# Allegro board 1151864-PCIE3_0_X16-166-20240802_20240815_2000_pcb.brd (continued)
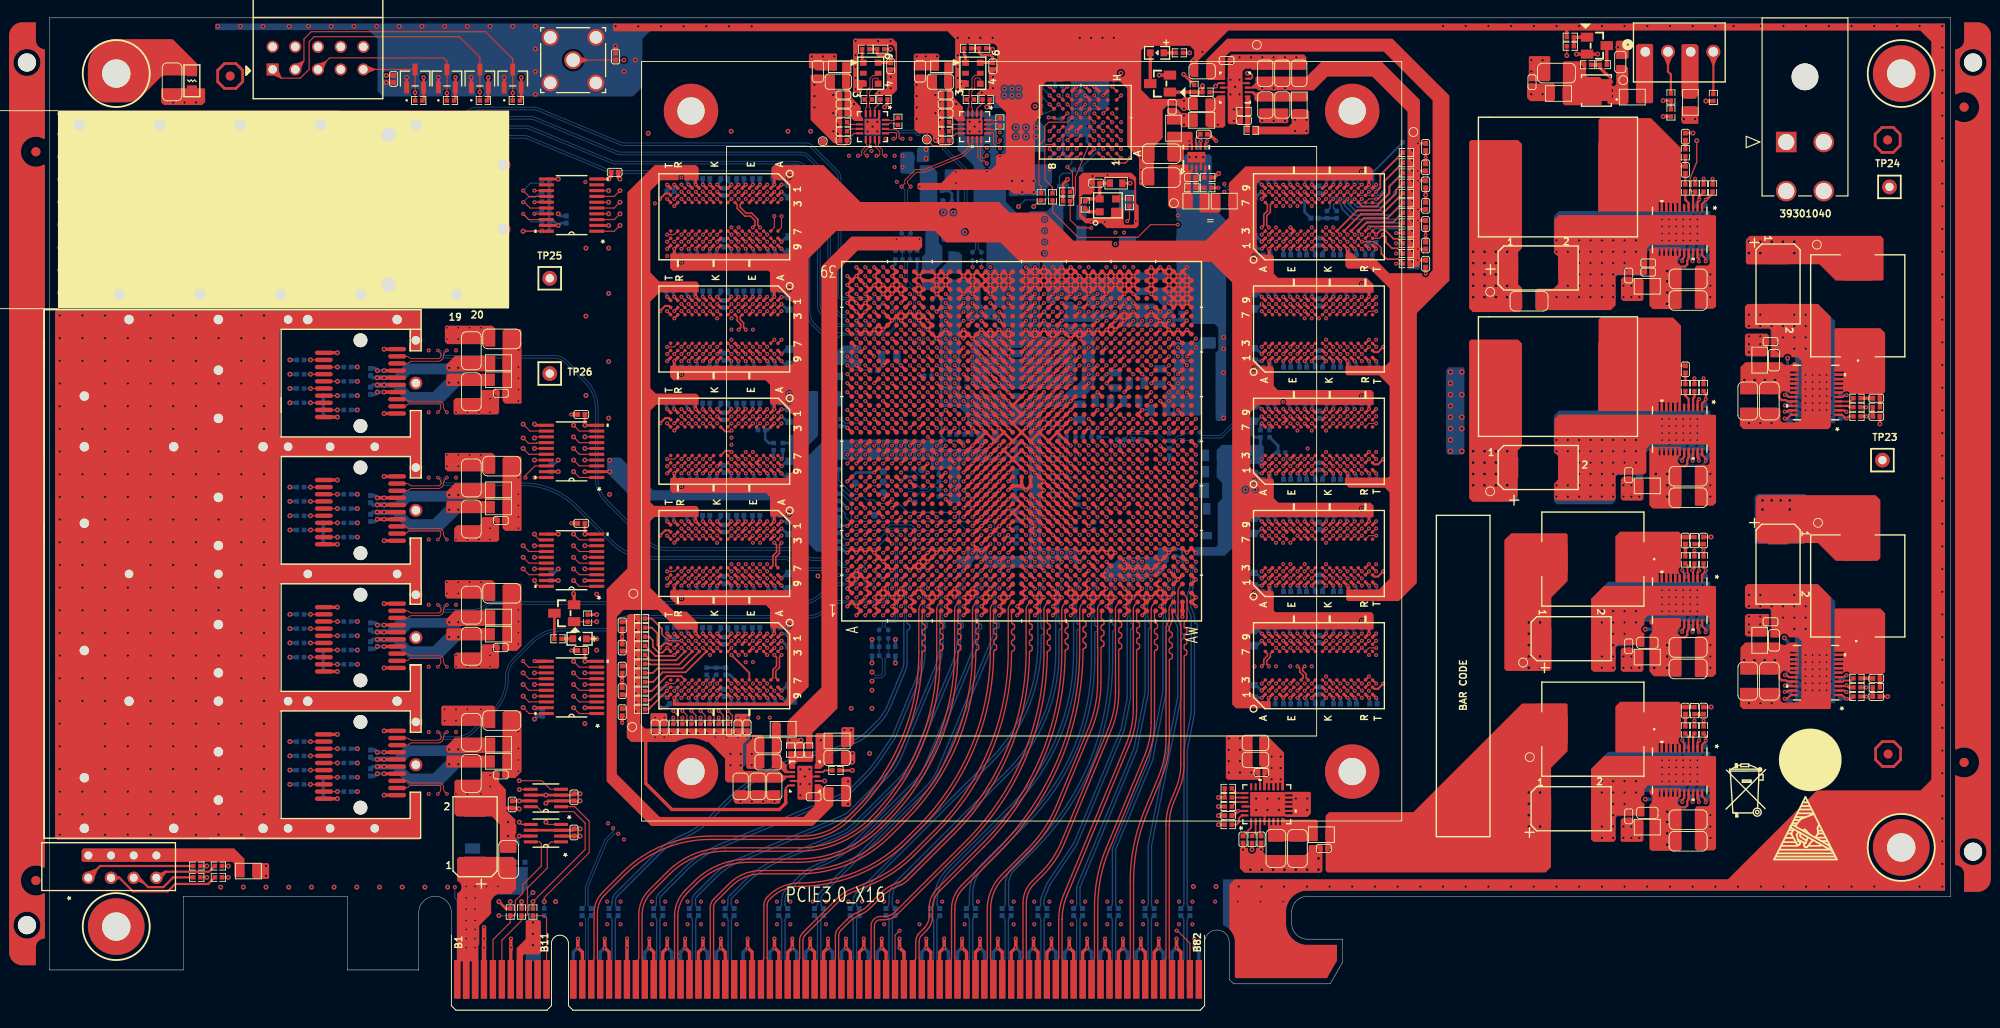
[diagram p0: board, top side]
## Footprints (pads in the part's own frame, mm; a bottom-side part is the same pattern mirrored in y, then rotated) (continued)

## Nets
GND: C1.2(CAP1) C3.2(CAP1) C4.2(CAP1) C5.2(CAP1) C6.2(CAP1) C7.2(CAP1) C8.2(CAP1) C9.2(CAP1) C10.2(CAP1) C11.2(CAP1) C18.2(CAP1) C21.2(CAP1) C22.2(CAP1) C23.2(CAP1) C24.2(CAP1) C25.2(CAP1) C26.2(CAP1) C27.2(CAP1) C28.2(CAP1) C29.2(CAP1) C30.2(CAP1) C31.2(CAP1) C32.2(CAP1) C33.2(CAP1) C34.2(CAP1) C35.2(CAP1) C36.2(CAP1) C37.2(CAP1) C38.2(CAP1) C39.2(CAP1) C40.2(CAP1) C41.2(CAP1) C42.2(CAP1) C43.2(CAP1) C44.2(CAP1) C45.2(CAP1) C46.2(CAP1) C47.2(CAP1) C48.2(CAP1) C49.2(CAP1) C50.2(CAP1) C51.2(CAP1) C52.2(CAP1) C53.2(CAP1) C54.2(CAP1) C55.2(CAP1) C56.2(CAP1) C57.2(CAP1) C58.2(CAP1) C59.2(CAP1) C60.2(CAP1) C61.2(CAP1) C62.2(CAP1) C63.2(CAP1) C64.2(CAP1) C65.2(CAP1) C66.2(CAP1) C67.2(CAP1) C68.2(CAP1) C69.2(CAP1) C70.2(CAP1) C71.2(CAP1) C72.2(CAP1) C73.2(CAP1) C74.2(CAP1) C75.2(CAP1) C76.2(CAP1) C77.2(CAP1) C78.2(CAP1) C79.2(CAP1) C80.2(CAP1) C81.2(CAP1) C82.2(CAP1) C83.2(CAP1) C84.2(CAP1) C85.2(CAP1) C86.2(CAP1) C87.2(CAP1) C88.2(CAP1) C89.2(CAP1) C90.2(CAP1) C91.2(CAP1) C92.2(CAP1) C93.2(CAP1) C94.2(CAP1) C95.2(CAP1) C96.2(CAP1) C97.2(CAP1) C98.2(CAP1) C99.2(CAP1) C100.2(CAP1) C101.2(CAP1) C102.2(CAP1) C103.2(CAP1) C104.2(CAP1) C105.2(CAP1) C106.2(CAP1) C107.2(CAP1) C108.2(CAP1) C109.2(CAP1) C110.2(CAP1) C111.2(CAP1) C112.2(CAP1) C113.2(CAP1) C114.2(CAP1) C115.2(CAP1) C116.2(CAP1) C117.2(CAP1) C118.2(CAP1) C119.2(CAP1) C120.2(CAP1) C121.2(CAP1) C122.2(CAP1) C123.2(CAP1) C124.2(CAP1) C125.2(CAP1) C126.2(CAP1) C127.2(CAP1) C128.2(CAP1) C129.2(CAP1) C130.2(CAP1) C131.2(CAP1) C132.2(CAP1) C133.2(CAP1) C134.2(CAP1) C135.2(CAP1) C136.2(CAP1) C137.2(CAP1) C138.2(CAP1) C139.2(CAP1) C140.2(CAP1) C141.2(CAP1) C142.2(CAP1) C143.2(CAP1) C144.2(CAP1) C145.2(CAP1) C146.2(CAP1) C147.2(CAP1) C148.2(CAP1) C149.2(CAP1) C150.2(CAP1) C151.2(CAP1) C152.2(CAP1) C153.2(CAP1) C155.2(CAP1) C156.2(CAP1) C157.2(CAP1) C158.2(CAP1) C159.2(CAP1) C160.2(CAP1) C161.2(CAP1) C162.2(CAP1) C163.2(CAP1) C164.2(CAP1) C165.2(CAP1) C166.2(CAP1) C167.2(CAP1) C168.2(CAP1) C169.2(CAP1) C170.2(CAP1) C171.2(CAP1) C172.2(CAP1) C173.2(CAP1) C174.2(CAP1) C175.2(CAP1) C176.2(CAP1) C177.2(CAP1) C178.2(CAP1) C179.2(CAP1) C180.2(CAP1) C181.2(CAP1) C182.2(CAP1) C183.2(CAP1) C184.2(CAP1) C185.2(CAP1) C186.2(CAP1) C187.2(CAP1) C188.2(CAP1) C189.2(CAP1) C190.2(CAP1) C191.2(CAP1) C192.2(CAP1) C193.2(CAP1) C194.2(CAP1) C195.2(CAP1) C196.2(CAP1) C197.2(CAP1) C198.2(CAP1) C199.2(CAP1) C200.2(CAP1) C201.2(CAP1) C202.2(CAP1) C203.2(CAP1) C204.2(CAP1) C205.2(CAP1) C206.2(CAP1) C207.2(CAP1) C208.2(CAP1) C209.2(CAP1) C210.2(CAP1) C211.2(CAP1) C212.2(CAP1) C213.2(CAP1) C214.2(CAP1) C215.2(CAP1) C216.2(CAP1) C217.2(CAP1) C218.2(CAP1) C219.2(CAP1) C220.2(CAP1) C221.2(CAP1) C222.2(CAP1) C223.2(CAP1) C224.2(CAP1) C225.2(CAP1) C226.2(CAP1) C227.2(CAP1) C228.2(CAP1) C229.2(CAP1) C230.2(CAP1) C231.2(CAP1) C232.2(CAP1) C233.2(CAP1) C234.2(CAP1) C235.2(CAP1) C236.2(CAP1) C237.2(CAP1) C238.2(CAP1) C239.2(CAP1) C240.2(CAP1) C241.2(CAP1) C242.2(CAP1) C244.2(CAP1) C245.2(CAP1) C246.2(CAP1) C247.2(CAP1) C248.2(CAP1) C249.2(CAP1) C250.2(CAP1) C251.2(CAP1) C252.2(CAP1) C253.2(CAP1) C254.2(CAP1) C255.2(CAP1) C256.2(CAP1) C257.2(CAP1) C258.2(CAP1) C259.2(CAP1) C260.2(CAP1) C261.2(CAP1) C262.2(CAP1) C263.2(CAP1) C264.2(CAP1) C265.2(CAP1) C266.2(CAP1) C267.2(CAP1) C268.2(CAP1) C269.2(CAP1) C270.2(CAP1) C271.2(CAP1) C272.2(CAP1) C273.2(CAP1) C274.2(CAP1) C275.2(CAP1) C276.2(CAP1) C277.2(CAP1) C278.2(CAP1) C279.2(CAP1) C280.2(CAP1) C281.2(CAP1) C282.2(CAP1) C283.2(CAP1) C284.2(CAP1) C285.2(CAP1) C286.2(CAP1) C287.2(CAP1) C288.2(CAP1) C289.2(CAP1) C290.2(CAP1) C291.2(CAP1) C292.2(CAP1) C293.2(CAP1) C294.2(CAP1) C295.2(CAP1) C296.2(CAP1) C297.2(CAP1) C298.2(CAP1) C299.2(CAP1) C300.2(CAP1) C301.2(CAP1) C302.2(CAP1) C303.2(CAP1) C304.2(CAP1) C305.2(CAP1) C306.2(CAP1) C307.2(CAP1) C308.2(CAP1) C309.2(CAP1) C310.2(CAP1) C312.2(CAP1) C313.2(CAP1) C314.2(CAP1) C315.2(CAP1) C316.2(CAP1) C317.2(CAP1) C318.2(CAP1) C329.2(CAP1) C330.2(CAP1) C341.2(CAP1) C342.2(CAP1) C357.1(CAP2) C358.2(CAP1) C359.2(CAP1) C360.1(CAP2) C361.1(CAP2) C362.1(CAP2) C363.1(CAP2) C364.1(CAP2) C365.2(CAP1) C366.2(CAP1) C367.1(CAP2) C368.1(CAP2) C369.1(CAP2) C374.1(CAP2) C375.1(CAP2) C377.1(CAP2) C378.2(CAP1) C379.2(CAP1) C380.2(CAP1) C381.2(CAP1) C382.2(CAP1) C383.2(CAP1) C384.2(CAP1) C385.1(CAP2) C386.1(CAP2) C387.2(CAP1) C388.2(CAP1) C389.2(CAP1) C390.2(CAP1) C391.2(CAP1) C392.2(CAP1) C394.1(CAP2) C395.1(CAP2) C396.2(CAP1) C397.2(CAP1) C398.2(CAP1) C399.2(CAP1) C400.2(CAP1) C401.2(CAP1) C403.1(CAP2) C404.1(CAP2) C405.2(CAP1) C406.2(CAP1) C407.2(CAP1) C408.2(CAP1) C409.2(CAP1) C410.2(CAP1) C412.1(CAP2) C413.1(CAP2) C414.1(CAP2) C415.2(CAP1) C416.2(CAP1) C417.1(CAP2) C418.2(CAP1) C419.2(CAP1) C420.2(CAP1) C421.2(CAP1) C422.1(CAP2) C423.2(CAP1) C424.2(CAP1) C425.2(CAP1) C426.2(CAP1) C427.2(CAP1) C428.2(CAP1) C430.1(CAP2) C431.2(CAP1) C432.1(CAP2) C433.2(CAP1) C434.1(CAP2) C435.2(CAP1) C437.2(CAP1) C438.1(CAP2) C439.1(CAP2) C440.2(CAP1) C441.2(CAP1) C442.2(CAP1) C443.2(CAP1) C444.2(CAP1) C445.2(CAP1) C447.2(CAP1) C448.2(CAP1) C449.2(CAP1) C450.2(CAP1) C451.2(CAP1) C452.2(CAP1) C453.2(CAP1) C454.2(CAP1) C455.2(CAP1) C456.2(CAP1) C457.2(CAP1) C458.2(CAP1) C459.2(CAP1) C460.2(CAP1) C461.2(CAP1) C462.2(CAP1) C463.2(CAP1) C464.2(CAP1) C465.1 C466.1(CAP2) C467.2(CAP1) C468.2(CAP1) C469.2(CAP1) C470.2(CAP1) C471.2(CAP1) C472.2(CAP1) C473.2(CAP1) C474.2(CAP1) C475.2(CAP1) C476.2(CAP1) C477.2(CAP1) C478.2(CAP1) C479.2(CAP1) C480.2(CAP1) C481.2(CAP1) C482.2(CAP1) C483.2(CAP1) C484.2(CAP1) C485.2(CAP1) C486.2(CAP1) CC1.2 CC2.2 CC3.2 CC4.2 CC5.2 CC6.2 CC7.2 CC8.2 CC9.2 CC10.2 CC11.2 CC12.2 CC13.2 CC14.2 CC15.2 D1.1 D2.1 D3.1 D4.1 J1.2 J1.10 J2.2(GND1) J2.3(GND2) J2.4(GND3) J2.5(GND4) J3.1(GND1) J3.4(GND2) J3.7(GND3) J3.13(GND4) J3.16(GND5) J3.19(GND6) J3.20(GND7) J3.23(GND8) J3.26(GND9) J3.32(GND10) J3.35(GND11) J3.38(GND12) J4.1(MH1) J4.2(MH2) J4.3(MH3) J4.4(MH4) J4.5(MH5) J4.6(MH6) J4.7(MH7) J4.8(MH8) J4.9(MH9) J4.10(MH10) J4.11(MH11) J4.12(MH12) J5.2(GND#2) J5.4(GND#4) L2.1 L51.1 P1.1(SHIELD1) P1.2(SHIELD2) P1.3(SHIELD3) P1.4(SHIELD4) P1.5(SHIELD5) P1.6(SHIELD6) P1.7(SHIELD7) P1.8(SHIELD8) P1.9(SHIELD9) P1.10(SHIELD10) P1.11(SHIELD11) P1.12(SHIELD12) P1.13(SHIELD13) P1.14(SHIELD14) P1.15(SHIELD15) P1.16(SHIELD16) P1.17(SHIELD17) P1.18(SHIELD18) P1.19(SHIELD19) P1.20(SHIELD20) P1.21(SHIELD21) P1.22(SHIELD22) P1.23(SHIELD23) P1.24(SHIELD24) P1.25(SHIELD25) P1.26(SHIELD26) P1.27(SHIELD27) P1.28(SHIELD28) P1.29(SHIELD29) P1.30(SHIELD30) P1.31(SHIELD31) P1.32(SHIELD32) P1.33(SHIELD33) P1.34(SHIELD34) P1.35(SHIELD35) P1.36(SHIELD36) P1.37(SHIELD37) P1.38(SHIELD38) P1.39(SHIELD39) P1.40(SHIELD40) P1.41(SHIELD41) P1.42(SHIELD42) P1.43(SHIELD43) P1.44(SHIELD44) P1.45(SHIELD45) P1.46(SHIELD46) P1.A1(A_VEET_1) P1.A10(A_VEER_1) P1.A11(A_VEER_2) P1.A14(A_VEER_3) P1.A17(A_VEET_2) P1.A20(A_VEET_3) P1.B1(B_VEET_1) P1.B10(B_VEER_1) P1.B11(B_VEER_2) P1.B14(B_VEER_3) P1.B17(B_VEET_2) P1.B20(B_VEET_3) P1.C1(C_VEET_1) P1.C10(C_VEER_1) P1.C11(C_VEER_2) P1.C14(C_VEER_3) P1.C17(C_VEET_2) P1.C20(C_VEET_3) P1.D1(D_VEET_1) P1.D10(D_VEER_1) P1.D11(D_VEER_2) P1.D14(D_VEER_3) P1.D17(D_VEET_2) P1.D20(D_VEET_3) P2.A4(GND#A4) P2.A12(GND#A12) P2.A15(GND#A15) P2.A18(GND#A18) P2.A20(GND#A20) P2.A23(GND#A23) P2.A24(GND#A24) P2.A27(GND#A27) P2.A28(GND#A28) P2.A31(GND#A31) P2.A34(GND#A34) P2.A37(GND#A37) P2.A38(GND#A38) P2.A41(GND#A41) P2.A42(GND#A42) P2.A45(GND#A45) P2.A46(GND#A46) P2.A49(GND#A49) P2.A51(GND#A51) P2.A54(GND#A54) P2.A55(GND#A55) P2.A58(GND#A58) P2.A59(GND#A59) P2.A62(GND#A62) P2.A63(GND#A63) P2.A66(GND#A66) P2.A67(GND#A67) P2.A70(GND#A70) P2.A71(GND#A71) P2.A74(GND#A74) P2.A75(GND#A75) P2.A78(GND#A78) P2.A79(GND#A79) P2.A82(GND#A82) P2.B4(GND#B4) P2.B7(GND#B7) P2.B13(GND#B13) P2.B16(GND#B16) P2.B18(GND#B18) P2.B21(GND#B21) P2.B22(GND#B22) P2.B25(GND#B25) P2.B26(GND#B26) P2.B29(GND#B29) P2.B32(GND#B32) P2.B35(GND#B35) P2.B36(GND#B36) P2.B39(GND#B39) P2.B40(GND#B40) P2.B43(GND#B43) P2.B44(GND#B44) P2.B47(GND#B47) P2.B49(GND#B49) P2.B52(GND#B52) P2.B53(GND#B53) P2.B56(GND#B56) P2.B57(GND#B57) P2.B60(GND#B60) P2.B61(GND#B61) P2.B64(GND#B64) P2.B65(GND#B65) P2.B68(GND#B68) P2.B69(GND#B69) P2.B72(GND#B72) P2.B73(GND#B73) P2.B76(GND#B76) P2.B77(GND#B77) P2.B80(GND#B80) Q1.2(SOURCE) Q2.2(SOURCE) Q4.2(SOURCE) R12.1 R15.2 R16.1 R19.1 R20.1 R34.2 R35.1 R36.2 R37.1 R41.1 R42.1 R43.2 R44.1 R47.1 R48.1 R56.1 R57.1 R58.2 R59.1 R60.2 R61.1 R65.1 R66.1 R67.2 R68.1 R69.1 R70.2 R71.1 R72.2 R73.2 R74.1 R75.2 R76.1 R77.2 R99.1 R107.1 R108.2 R111.1 R112.2 R113.1 R114.2 R115.2 R116.1 R117.2 R118.1 R119.2 R140.1 R149.1 R150.2 R161.1 R163.1 R175.1 R177.1 R185.1 R187.1 R195.1 R197.1 R210.2 R211.2 R216.2 R217.2 R219.2 R220.2 R221.2 R223.1 R225.2 R229.1 R230.1 R231.1 R232.1 R235.2 R238.1 R239.1 R240.1 R241.1 R246.2 R249.1 R250.1 R251.1 R252.1 R256.2 R262.1 R264.1 R265.1 R266.1 R267.1 R271.2 R275.2 R279.2 R281.1 R282.1 R283.1 R284.1 R289.2 R294.2 R296.1 R303.2 TP23.1 TP24.1 TP25.1 TP26.1 U1.A2 U1.A3 U1.A4 U1.A5 U1.A8 U1.A11 U1.A21 U1.A31 U1.A32 U1.A35 U1.A36 U1.A37 U1.A38 U1.AA3 U1.AA5 U1.AA8 U1.AA10 U1.AA11 U1.AA13 U1.AA17 U1.AA19 U1.AA21 U1.AA23 U1.AA25 U1.AA27 U1.AA29 U1.AA31 U1.AA32 U1.AA35 U1.AA37 U1.AA38 U1.AA39 U1.AB1 U1.AB2 U1.AB3 U1.AB6 U1.AB12 U1.AB14 U1.AB15 U1.AB16 U1.AB18 U1.AB20 U1.AB22 U1.AB24 U1.AB26 U1.AB28 U1.AB30 U1.AB32 U1.AB34 U1.AB37 U1.AB38 U1.AB39 U1.AC3 U1.AC4 U1.AC11 U1.AC13 U1.AC15 U1.AC17 U1.AC19 U1.AC21 U1.AC23 U1.AC25 U1.AC27 U1.AC29 U1.AC31 U1.AC32 U1.AC36 U1.AC37 U1.AC38 U1.AC39 U1.AD1 U1.AD2 U1.AD3 U1.AD6 U1.AD12 U1.AD14 U1.AD16 U1.AD18 U1.AD20 U1.AD22 U1.AD24 U1.AD26 U1.AD28 U1.AD30 U1.AD32 U1.AD34 U1.AD37 U1.AD38 U1.AD39 U1.AE3 U1.AE4 U1.AE9 U1.AE11 U1.AE13 U1.AE15 U1.AE17 U1.AE19 U1.AE21 U1.AE23 U1.AE25 U1.AE27 U1.AE29 U1.AE31 U1.AE32 U1.AE36 U1.AE37 U1.AE38 U1.AE39 U1.AF1 U1.AF2 U1.AF3 U1.AF6 U1.AF8 U1.AF14 U1.AF24 U1.AF32 U1.AF34 U1.AF37 U1.AF38 U1.AF39 U1.AG3 U1.AG4 U1.AG8 U1.AG11 U1.AG21 U1.AG31 U1.AG32 U1.AG36 U1.AG37 U1.AG38 U1.AG39 U1.AH1 U1.AH2 U1.AH3 U1.AH6 U1.AH8 U1.AH18 U1.AH28 U1.AH32 U1.AH34 U1.AH37 U1.AH38 U1.AH39 U1.AJ3 U1.AJ4 U1.AJ8 U1.AJ15 U1.AJ25 U1.AJ32 U1.AJ36 U1.AJ37 U1.AJ38 U1.AJ39 U1.AK1 U1.AK2 U1.AK3 U1.AK7 U1.AK8 U1.AK12 U1.AK22 U1.AK32 U1.AK33 U1.AK37 U1.AK38 U1.AK39 U1.AL3 U1.AL4 U1.AL6 U1.AL7 U1.AL9 U1.AL19 U1.AL29 U1.AL33 U1.AL34 U1.AL36 U1.AL37 U1.AL38 U1.AL39 U1.AM1 U1.AM2 U1.AM3 U1.AM6 U1.AM16 U1.AM26 U1.AM34 U1.AM37 U1.AM38 U1.AM39 U1.AN3 U1.AN4 U1.AN6 U1.AN13 U1.AN23 U1.AN34 U1.AN36 U1.AN37 U1.AN38 U1.AN39 U1.AP1 U1.AP2 U1.AP3 U1.AP6 U1.AP10 U1.AP20 U1.AP30 U1.AP34 U1.AP37 U1.AP38 U1.AP39 U1.AR3 U1.AR4 U1.AR6 U1.AR7 U1.AR17 U1.AR27 U1.AR33 U1.AR34 U1.AR36 U1.AR37 U1.AR38 U1.AR39 U1.AT1 U1.AT2 U1.AT3 U1.AT7 U1.AT8 U1.AT14 U1.AT24 U1.AT32 U1.AT33 U1.AT37 U1.AT38 U1.AT39 U1.AU3 U1.AU4 U1.AU5 U1.AU8 U1.AU11 U1.AU21 U1.AU31 U1.AU32 U1.AU35 U1.AU36 U1.AU37 U1.AU38 U1.AU39 U1.AV1 U1.AV2 U1.AV5 U1.AV8 U1.AV18 U1.AV28 U1.AV32 U1.AV35 U1.AV36 U1.AV37 U1.AV38 U1.AV39 U1.AW2 U1.AW3 U1.AW4 U1.AW5 U1.AW8 U1.AW15 U1.AW25 U1.AW32 U1.AW35 U1.AW36 U1.AW37 U1.AW38 U1.B1 U1.B2 U1.B5 U1.B6 U1.B8 U1.B18 U1.B28 U1.B32 U1.B34 U1.B35 U1.B38 U1.B39 U1.C3 U1.C4 U1.C5 U1.C8 U1.C15 U1.C25 U1.C32 U1.C35 U1.C36 U1.C37 U1.D1 U1.D2 U1.D3 U1.D7 U1.D8 U1.D12 U1.D22 U1.D32 U1.D33 U1.D37 U1.D38 U1.D39 U1.E3 U1.E4 U1.E6 U1.E7 U1.E9 U1.E19 U1.E29 U1.E33 U1.E34 U1.E36 U1.E37 U1.F1 U1.F2 U1.F3 U1.F6 U1.F16 U1.F26 U1.F34 U1.F37 U1.F38 U1.F39 U1.G3 U1.G4 U1.G6 U1.G13 U1.G23 U1.G33 U1.G34 U1.G36 U1.G37 U1.H1 U1.H2 U1.H3 U1.H6 U1.H10 U1.H20 U1.H30 U1.H34 U1.H37 U1.H38 U1.H39 U1.J3 U1.J4 U1.J6 U1.J7 U1.J17 U1.J27 U1.J33 U1.J34 U1.J36 U1.J37 U1.J38 U1.J39 U1.K1 U1.K2 U1.K3 U1.K7 U1.K8 U1.K14 U1.K24 U1.K32 U1.K33 U1.K37 U1.K38 U1.K39 U1.L3 U1.L4 U1.L8 U1.L11 U1.L21 U1.L31 U1.L32 U1.L36 U1.L37 U1.L38 U1.L39 U1.M1 U1.M2 U1.M3 U1.M6 U1.M8 U1.M18 U1.M28 U1.M32 U1.M34 U1.M37 U1.M38 U1.M39 U1.N3 U1.N4 U1.N8 U1.N15 U1.N25 U1.N32 U1.N36 U1.N37 U1.N38 U1.N39 U1.P1 U1.P2 U1.P3 U1.P6 U1.P12 U1.P22 U1.P32 U1.P34 U1.P37 U1.P38 U1.P39 U1.R3 U1.R4 U1.R8 U1.R9 U1.R11 U1.R13 U1.R15 U1.R17 U1.R19 U1.R21 U1.R23 U1.R25 U1.R27 U1.R29 U1.R31 U1.R32 U1.R36 U1.R37 U1.R38 U1.R39 U1.T1 U1.T2 U1.T3 U1.T6 U1.T8 U1.T12 U1.T14 U1.T16 U1.T18 U1.T20 U1.T22 U1.T24 U1.T26 U1.T28 U1.T30 U1.T32 U1.T34 U1.T37 U1.T38 U1.T39 U1.U3 U1.U4 U1.U11 U1.U13 U1.U15 U1.U17 U1.U19 U1.U21 U1.U23 U1.U25 U1.U27 U1.U29 U1.U31 U1.U32 U1.U36 U1.U37 U1.U38 U1.U39 U1.V1 U1.V2 U1.V3 U1.V6 U1.V12 U1.V14 U1.V16 U1.V18 U1.V20 U1.V22 U1.V24 U1.V26 U1.V28 U1.V30 U1.V32 U1.V34 U1.V37 U1.V38 U1.V39 U1.W3 U1.W5 U1.W8 U1.W10 U1.W11 U1.W13 U1.W17 U1.W19 U1.W21 U1.W23 U1.W25 U1.W27 U1.W29 U1.W31 U1.W32 U1.W35 U1.W37 U1.W38 U1.W39 U1.Y1 U1.Y2 U1.Y3 U1.Y4 U1.Y6 U1.Y12 U1.Y14 U1.Y18 U1.Y20 U1.Y22 U1.Y24 U1.Y26 U1.Y28 U1.Y30 U1.Y32 U1.Y34 U1.Y36 U1.Y37 U1.Y38 U1.Y39 U2.B2(VSS0) U2.H2(VSS1) U2.H4(VSS2) U2.H6(VSS3) U3.2(GND) U4.A2(VSSQ1) U4.A8(VSSQ2) U4.B2(VSS1) U4.C9(VSSQ3) U4.D2(VSSQ4) U4.D8(VSSQ5) U4.E1(VSS2) U4.E3(VSSQ6) U4.E8(VSSQ7) U4.E9(VSS3) U4.F1(VSSQ8) U4.G8(VSS4) U4.H1(VSSQ9) U4.H9(VSSQ10) U4.K1(VSS5) U4.K9(VSS6) U4.M9(VSS7) U4.N1(VSS8) U4.T1(VSS9) U5.A2(VSSQ1) U5.A8(VSSQ2) U5.B2(VSS1) U5.C9(VSSQ3) U5.D2(VSSQ4) U5.D8(VSSQ5) U5.E1(VSS2) U5.E3(VSSQ6) U5.E8(VSSQ7) U5.E9(VSS3) U5.F1(VSSQ8) U5.G8(VSS4) U5.H1(VSSQ9) U5.H9(VSSQ10) U5.K1(VSS5) U5.K9(VSS6) U5.M9(VSS7) U5.N1(VSS8) U5.T1(VSS9) U6.A2(VSSQ1) U6.A8(VSSQ2) U6.B2(VSS1) U6.C9(VSSQ3) U6.D2(VSSQ4) U6.D8(VSSQ5) U6.E1(VSS2) U6.E3(VSSQ6) U6.E8(VSSQ7) U6.E9(VSS3) U6.F1(VSSQ8) U6.G8(VSS4) U6.H1(VSSQ9) U6.H9(VSSQ10) U6.K1(VSS5) U6.K9(VSS6) U6.M9(VSS7) U6.N1(VSS8) U6.T1(VSS9) U7.A2(VSSQ1) U7.A8(VSSQ2) U7.B2(VSS1) U7.C9(VSSQ3) U7.D2(VSSQ4) U7.D8(VSSQ5) U7.E1(VSS2) U7.E3(VSSQ6) U7.E8(VSSQ7) U7.E9(VSS3) U7.F1(VSSQ8) U7.G8(VSS4) U7.H1(VSSQ9) U7.H9(VSSQ10) U7.K1(VSS5) U7.K9(VSS6) U7.M9(VSS7) U7.N1(VSS8) U7.T1(VSS9) U8.A2(VSSQ1) U8.A8(VSSQ2) U8.B2(VSS1) U8.C9(VSSQ3) U8.D2(VSSQ4) U8.D8(VSSQ5) U8.E1(VSS2) U8.E3(VSSQ6) U8.E8(VSSQ7) U8.E9(VSS3) U8.F1(VSSQ8) U8.G8(VSS4) U8.H1(VSSQ9) U8.H9(VSSQ10) U8.K1(VSS5) U8.K9(VSS6) U8.M9(VSS7) U8.N1(VSS8) U8.T1(VSS9) U9.A2(VSSQ1) U9.A8(VSSQ2) U9.B2(VSS1) U9.C9(VSSQ3) U9.D2(VSSQ4) U9.D8(VSSQ5) U9.E1(VSS2) U9.E3(VSSQ6) U9.E8(VSSQ7) U9.E9(VSS3) U9.F1(VSSQ8) U9.G8(VSS4) U9.H1(VSSQ9) U9.H9(VSSQ10) U9.K1(VSS5) U9.K9(VSS6) U9.M9(VSS7) U9.N1(VSS8) U9.T1(VSS9) U10.A2(VSSQ1) U10.A8(VSSQ2) U10.B2(VSS1) U10.C9(VSSQ3) U10.D2(VSSQ4) U10.D8(VSSQ5) U10.E1(VSS2) U10.E3(VSSQ6) U10.E8(VSSQ7) U10.E9(VSS3) U10.F1(VSSQ8) U10.G8(VSS4) U10.H1(VSSQ9) U10.H9(VSSQ10) U10.K1(VSS5) U10.K9(VSS6) U10.M9(VSS7) U10.N1(VSS8) U10.T1(VSS9) U11.A2(VSSQ1) U11.A8(VSSQ2) U11.B2(VSS1) U11.C9(VSSQ3) U11.D2(VSSQ4) U11.D8(VSSQ5) U11.E1(VSS2) U11.E3(VSSQ6) U11.E8(VSSQ7) U11.E9(VSS3) U11.F1(VSSQ8) U11.G8(VSS4) U11.H1(VSSQ9) U11.H9(VSSQ10) U11.K1(VSS5) U11.K9(VSS6) U11.M9(VSS7) U11.N1(VSS8) U11.T1(VSS9) U12.A2(VSSQ1) U12.A8(VSSQ2) U12.B2(VSS1) U12.C9(VSSQ3) U12.D2(VSSQ4) U12.D8(VSSQ5) U12.E1(VSS2) U12.E3(VSSQ6) U12.E8(VSSQ7) U12.E9(VSS3) U12.F1(VSSQ8) U12.G8(VSS4) U12.H1(VSSQ9) U12.H9(VSSQ10) U12.K1(VSS5) U12.K9(VSS6) U12.M9(VSS7) U12.N1(VSS8) U12.T1(VSS9) U13.A2(VSSQ1) U13.A8(VSSQ2) U13.B2(VSS1) U13.C9(VSSQ3) U13.D2(VSSQ4) U13.D8(VSSQ5) U13.E1(VSS2) U13.E3(VSSQ6) U13.E8(VSSQ7) U13.E9(VSS3) U13.F1(VSSQ8) U13.G8(VSS4) U13.H1(VSSQ9) U13.H9(VSSQ10) U13.K1(VSS5) U13.K9(VSS6) U13.M9(VSS7) U13.N1(VSS8) U13.T1(VSS9) U14.11(GND) U15.11(GND) U16.11(GND) U17.11(GND) U18.2(GND) U19.2(GND) U20.1(GND) U20.17(EPAD) U21.3(GND) U22.3(GND) U23.1(GND) U23.17(EPAD) U24.23(EPAD) U25.23(EPAD) U26.23(EPAD) U27.23(EPAD) U28.4(GND#4) U28.9(GND#9) U28.10(GND#10) U28.11(GND#11) U28.12(GND#12) U28.13(GND#13) U28.14(GND#14) U28.20(GND#20) U28.26(GND#26) U28.29(GND#29) U29.23(EPAD) U30.2(GND) U31.4(GND) U31.11(PAD) U32.23(EPAD) U33.4(PGND) U33.8(GND) U33.11(PWRPAD) U34.4(PGND) U34.8(GND) U34.11(PWRPAD)
GND_ADC: C2.2(CAP1) L2.2 U1.AA15 U1.AA16 U1.W15 U1.Y15 U1.Y16
VCC1V2: CC13.1 CC14.1 L7.1 L10.1 L12.1 L44.1 L45.1 L47.1 R38.2 R39.2 R62.2 R63.2 R286.2 R288.1 R293.1 TP10.1
